# KiCad board main_MagicAlonso-rounded.kicad_pcb (continued)
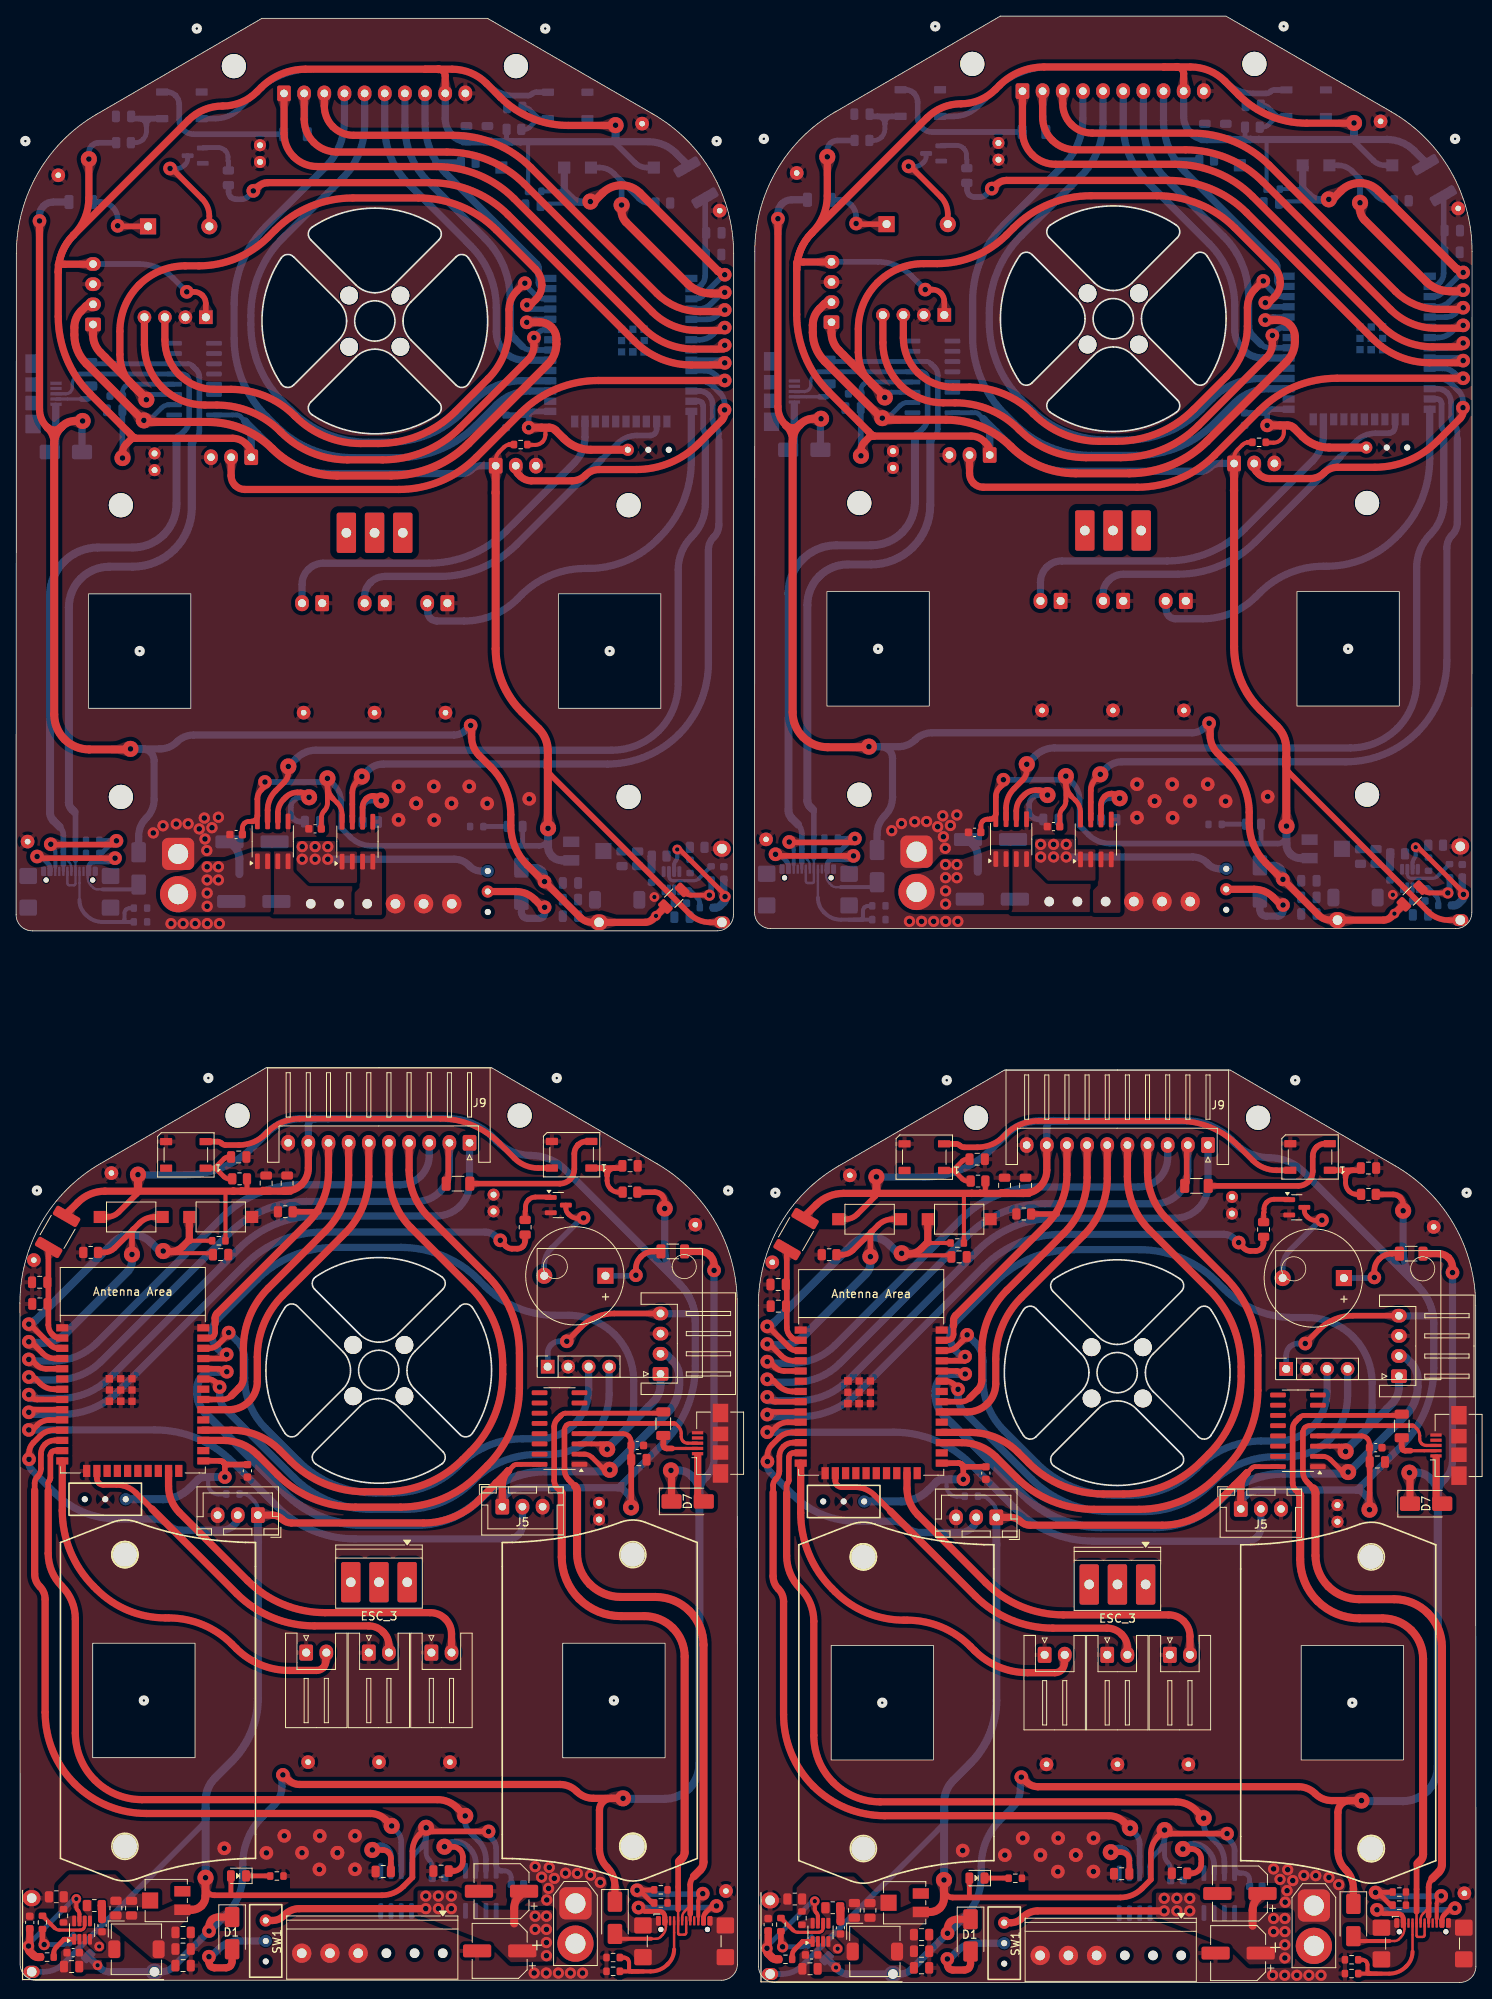
[diagram p0: board, top side]
## Routing (per net, layer and track width the routed paths; a pad name or vN(x,y) marks a point on that pad's centre or on a via; arc(x,y) is an arc through that point) (continued)
/StepDown_2315/VCC_SW: length 63.2
  Top w0.5: ST1.7 99.48,8.2 arc(99.43,8.45) 99.29,8.67 arc(99.14,8.88) 99.09,9.13 v3(99.09,10.1) ; ST1#2.7 7.86,8.48 arc(7.81,8.73) 7.66,8.94 arc(7.52,9.16) 7.47,9.41 v3(7.47,10.38)
  Top w0.6: v4(87.96,134.76) 87.96,134.87 arc(87.94,134.97) 87.88,135.05 82.43,140.51 arc(82.31,140.59) 82.18,140.61 v3(82.03,140.61) ; v3(173.65,140.89) 173.8,140.89 arc(173.94,140.86) 174.05,140.79 179.51,135.33 arc(179.56,135.25) 179.58,135.15 v4(179.58,135.04)
  Top w0.9: C23.1 1.69,4.78 arc(1.67,4.69) 1.61,4.6 v4(1.54,4.53) ; C23#2.1 93.31,4.51 arc(93.29,4.41) 93.24,4.32 v4(93.16,4.25)
  Top w1: v4(1.54,4.53) 1.53,4.52 arc(1.52,4.51) 1.52,4.49 1.52,4.26 arc(1.56,4.04) 1.69,3.84 2.16,3.38 arc(2.4,3.22) 2.7,3.16 R16#2.2 ; v4(93.16,4.25) 93.15,4.24 arc(93.15,4.23) 93.14,4.22 93.14,3.99 arc(93.19,3.76) 93.32,3.57 93.78,3.1 arc(94.03,2.94) 94.32,2.88 R16.2
  Bottom w0.5: ST1#4.7 81.64,138.71 arc(81.69,138.96) 81.84,139.18 arc(81.98,139.39) 82.03,139.65 v3(82.03,140.61) ; ST1#3.7 173.27,138.99 arc(173.32,139.24) 173.46,139.46 arc(173.6,139.67) 173.65,139.92 v3(173.65,140.89)
  Bottom w0.6: v4(93.16,4.25) 93.16,4.36 arc(93.18,4.46) 93.24,4.54 98.69,10 arc(98.81,10.07) 98.95,10.1 v3(99.09,10.1) ; v3(7.47,10.38) 7.32,10.38 arc(7.19,10.35) 7.07,10.27 1.62,4.82 arc(1.56,4.73) 1.54,4.64 v4(1.54,4.53)
  Bottom w0.9: C23#4.1 87.81,135.02 arc(87.83,134.92) 87.89,134.84 v4(87.96,134.76) ; C23#3.1 179.43,135.3 arc(179.45,135.2) 179.51,135.12 v4(179.58,135.04)
  Bottom w1: R16#3.2 178.43,133.67 arc(178.72,133.73) 178.97,133.89 179.43,134.36 arc(179.56,134.55) 179.6,134.78 179.6,135.01 arc(179.6,135.02) 179.59,135.03 v4(179.58,135.04) ; R16#4.2 86.8,133.39 arc(87.1,133.45) 87.34,133.62 87.81,134.08 arc(87.93,134.27) 87.98,134.5 87.98,134.73 arc(87.98,134.74) 87.97,134.75 v4(87.96,134.76)
/VDD_ESP: length 49.3
  Top w0.7: F1#2.2 95.64,90.93 arc(95.63,90.91) 95.62,90.88 95.62,81.32 arc(95.75,80.7) 96.1,80.18 96.3,79.97 arc(96.6,79.77) 96.96,79.7 U1.2 ; F1.2 4.02,91.21 arc(4,91.19) 4,91.16 4,81.6 arc(4.12,80.98) 4.47,80.45 4.68,80.25 arc(4.98,80.05) 5.34,79.98 U1#2.2
  Bottom w0.7: U1#3.2 84.16,210.21 arc(84.52,210.28) 84.82,210.49 85.03,210.69 arc(85.38,211.21) 85.5,211.83 85.5,221.4 arc(85.5,221.42) 85.48,221.44 F1#4.2 ; F1#3.2 177.1,221.72 arc(177.12,221.7) 177.12,221.67 177.12,212.11 arc(177,211.49) 176.65,210.97 176.45,210.76 arc(176.14,210.56) 175.79,210.49 U1#4.2
GND:
  vias: v1(25.83,16.66) v1(31.05,16.09) v1(33.27,18.2) v1(35.47,16.1) v1(37.63,14.04) v1(37.67,18.2) v1(39.85,16.1) v1(39.87,16.1) v1(42.05,18.2) v1(42.05,14.05) v1(47.45,148.44) v1(47.45,144.29) v1(49.62,146.34) v1(49.65,146.34) v1(51.83,148.44) v1(51.87,144.27) v1(54.03,146.34) v1(56.22,148.44) v1(58.45,146.32) v1(63.67,146.89) v1(117.45,16.38) v1(122.68,15.81) v1(124.9,17.93) v1(127.1,15.82) v1(129.3,17.93) v1(129.25,13.76) v1(131.47,15.82) v1(131.5,15.82) v1(133.67,17.93) v1(133.67,13.78) v1(139.07,148.72) v1(139.07,144.57) v1(141.25,146.62) v1(141.27,146.62) v1(143.45,148.72) v1(143.49,144.55) v1(145.65,146.62) v1(147.85,148.72) v1(150.07,146.6) v1(155.29,147.17) v3(10.31,4.48) v3(79.19,134.71) v3(101.93,4.2) v3(170.82,134.99) v4(17.02,142.66) v4(18.23,143.55) v4(19.22,131.41) v4(19.87,143.77) v4(20.72,131.41) v4(21.34,143.8) v4(22.22,131.41) v4(22.72,143.16) v4(23.35,144.51) v4(23.43,141.91) v4(23.66,140.48) v4(23.72,131.41) v4(24.3,143.31) v4(25.1,144.61) v4(25.22,131.41) v4(64.28,1.18) v4(64.4,14.38) v4(65.2,13.08) v4(65.78,1.18) v4(65.84,10.25) v4(66.07,11.68) v4(66.15,14.28) v4(66.78,12.93) v4(67.28,1.18) v4(68.16,13.57) v4(68.78,1.18) v4(69.63,13.54) v4(70.28,1.18) v4(71.27,13.32) v4(72.48,12.43) v4(108.64,142.94) v4(109.85,143.83) v4(110.84,131.69) v4(111.49,144.05) v4(112.34,131.69) v4(112.96,144.08) v4(113.84,131.69) v4(114.34,143.44) v4(114.97,144.79) v4(115.05,142.19) v4(115.28,140.76) v4(115.34,131.69) v4(115.92,143.59) v4(116.72,144.89) v4(116.84,131.69) v4(155.9,0.9) v4(156.02,14.1) v4(156.82,12.8) v4(157.4,0.9) v4(157.46,9.97) v4(157.69,11.4) v4(157.77,14) v4(158.4,12.65) v4(158.9,0.9) v4(159.78,13.29) v4(160.4,0.9) v4(161.25,13.26) v4(161.9,0.9) v4(162.89,13.04) v4(164.1,12.15)
/BOOT: length 98.2
  Top w0.5: R3#2.1 63.45,190.84 arc(63.48,190.82) 63.51,190.81 64.39,190.81 arc(64.88,190.91) 65.3,191.19 arc(65.58,191.6) 65.67,192.09 65.67,192.5 ; R3.1 155.07,191.12 arc(155.1,191.1) 155.13,191.09 156.02,191.09 arc(156.51,191.19) 156.92,191.47 arc(157.2,191.88) 157.3,192.37 157.3,192.78
  Top w0.7: v1(25.9,62.73) 25.9,64.12 arc(25.85,64.36) 25.72,64.56 ; 117.34,64.28 117.39,64.23 arc(117.65,64.06) 117.95,64 C8#2.1 ; 117.34,64.28 arc(117.14,64.41) 116.91,64.46 ; 117.34,64.28 arc(117.48,64.08) 117.52,63.85 v1(117.52,62.45) ; 117.34,64.28 arc(117.14,64.41) 116.91,64.46 ; C8.1 26.33,64.28 arc(26.02,64.34) 25.77,64.51 25.72,64.56 ; 116.91,64.46 U1.25 ; 25.72,64.56 arc(25.52,64.69) 25.29,64.74 ; 25.72,64.56 arc(25.52,64.69) 25.29,64.74 ; 25.29,64.74 U1#2.25
  Top w1: SW3#3.1 162.92,190.49 arc(161.12,190.85) 159.6,191.87 158.55,192.91 arc(158.19,193.16) 157.76,193.24 v1(155.22,193.24) ; v1(63.6,192.96) 66.14,192.96 arc(66.56,192.88) 66.93,192.64 67.97,191.59 arc(69.5,190.57) 71.29,190.21 SW3#4.1
  Bottom w0.5: R3#4.1 117.67,60.32 arc(117.65,60.31) 117.61,60.3 116.73,60.3 arc(116.24,60.4) 115.82,60.68 arc(115.55,61.09) 115.45,61.58 115.45,61.99 ; R3#3.1 26.05,60.6 arc(26.02,60.58) 25.99,60.58 25.11,60.58 arc(24.62,60.68) 24.2,60.95 arc(23.92,61.37) 23.82,61.86 23.82,62.27
  Bottom w0.7: C8#3.1 154.8,194.79 arc(155.1,194.85) 155.35,195.02 155.4,195.07 ; 64.21,194.97 U1#3.25 ; 64.21,194.97 arc(63.98,194.93) 63.78,194.79 ; 64.21,194.97 arc(63.98,194.93) 63.78,194.79 ; 155.84,195.25 U1#4.25 ; 155.84,195.25 arc(155.6,195.2) 155.4,195.07 ; 155.84,195.25 arc(155.6,195.2) 155.4,195.07 ; 63.78,194.79 63.73,194.74 arc(63.48,194.57) 63.17,194.51 C8#4.1 ; 63.78,194.79 arc(63.65,194.59) 63.6,194.36 v1(63.6,192.96) ; v1(155.22,193.24) 155.22,194.64 arc(155.27,194.87) 155.4,195.07
  Bottom w1: SW3#2.1 109.83,59.7 arc(111.63,60.06) 113.15,61.07 114.2,62.12 arc(114.56,62.37) 114.99,62.45 v1(117.52,62.45) ; v1(25.9,62.73) 23.36,62.73 arc(22.94,62.64) 22.57,62.4 21.52,61.35 arc(20,60.34) 18.21,59.98 SW3.1
/BUTTON: length 143.5
  Top w0.7: U1.4 96.46,77.16 arc(95.63,77.32) 94.93,77.79 93.79,78.93 arc(93.61,79.06) 93.39,79.1 93.15,79.1 ; 1.52,79.38 1.76,79.38 arc(1.98,79.33) 2.17,79.21 3.31,78.07 arc(4.01,77.6) 4.83,77.44 U1#2.4 ; 106.08,93.11 106.24,93.27 ; 106.08,93.11 106.24,93.27 ; 106.08,93.11 103.83,90.86 arc(103.24,90.46) 102.54,90.32 R9.2 ; 106.08,93.11 arc(106.02,93.02) 106,92.91 v2(106,90.07) ; 106.24,93.27 106.96,93.98 arc(107.78,94.53) 108.75,94.72 SW4.2 ; 14.46,93.38 12.21,91.14 arc(11.62,90.74) 10.92,90.6 R9#2.2 ; 14.46,93.38 14.62,93.55 ; 14.46,93.38 14.62,93.55 ; 14.46,93.38 arc(14.4,93.29) 14.37,93.19 v2(14.37,90.35) ; 14.62,93.55 15.33,94.26 arc(16.15,94.81) 17.12,95 SW4#2.2
  Top w1: 87.97,209.61 86.25,209.61 arc(84.66,209.93) 83.31,210.83 75.68,218.46 arc(75.27,219.07) 75.12,219.8 v2(75.12,220.59) ; 179.6,209.89 177.87,209.89 arc(176.28,210.21) 174.93,211.11 167.31,218.73 arc(166.89,219.35) 166.75,220.08 v2(166.75,220.87)
  Bottom w0.7: 75.04,223.62 77.29,221.37 arc(77.88,220.98) 78.58,220.84 R9#3.2 ; 75.04,223.62 74.88,223.78 ; 75.04,223.62 74.88,223.78 ; 75.04,223.62 arc(75.1,223.53) 75.12,223.42 v2(75.12,220.59) ; 166.67,223.9 166.5,224.06 ; 166.67,223.9 168.91,221.65 arc(169.51,221.25) 170.21,221.12 R9#4.2 ; 166.67,223.9 166.5,224.06 ; 166.67,223.9 arc(166.73,223.81) 166.75,223.7 v2(166.75,220.87) ; 166.5,224.06 165.79,224.77 arc(164.97,225.32) 164,225.52 SW4#3.2 ; 74.88,223.78 74.17,224.49 arc(73.35,225.04) 72.38,225.24 SW4#4.2 ; U1#4.4 176.29,207.95 arc(177.12,208.11) 177.81,208.58 178.96,209.72 arc(179.14,209.85) 179.36,209.89 179.6,209.89 ; U1#3.4 84.67,207.67 arc(85.49,207.84) 86.19,208.3 87.33,209.44 arc(87.52,209.57) 87.74,209.61 87.97,209.61
  Bottom w1: v2(14.37,90.35) 14.37,89.57 arc(14.23,88.84) 13.82,88.22 6.19,80.6 arc(4.84,79.69) 3.25,79.38 1.52,79.38 ; 93.15,79.1 94.87,79.1 arc(96.47,79.42) 97.82,80.32 105.44,87.94 arc(105.85,88.56) 106,89.29 v2(106,90.07)
  vias: v1(1.57,79.52) v1(87.92,209.75) v1(93.2,79.24) v1(179.55,210.03)
/BUZ: length 305.1
  Top w0.7: v1(151.69,91.83) 152.03,91.5 arc(152.04,91.48) 152.04,91.45 arc(152.05,91.43) 152.06,91.41 152.36,91.11 arc(152.72,90.87) 153.14,90.79 153.82,90.79 arc(154.18,90.86) 154.49,91.06 arc(154.69,91.37) 154.76,91.73 154.76,92.5 arc(154.77,92.52) 154.77,92.53 R8.2 ; v1(93.2,70.49) 93.36,70.65 arc(93.54,70.77) 93.75,70.81 U1.9 ; v1(60.07,92.11) 60.4,91.78 arc(60.42,91.76) 60.42,91.73 arc(60.42,91.71) 60.44,91.69 60.74,91.39 arc(61.09,91.15) 61.51,91.07 62.2,91.07 arc(62.56,91.14) 62.86,91.34 arc(63.07,91.65) 63.14,92.01 63.14,92.78 arc(63.14,92.79) 63.15,92.81 R8#2.2 ; v1(1.57,70.77) 1.74,70.93 arc(1.91,71.05) 2.13,71.09 U1#2.9
  Top w0.9: 87.92,200.74 83.8,200.74 arc(79.99,201.5) 76.76,203.65 61.03,219.38 arc(56.62,222.33) 51.42,223.36 31.26,223.36 arc(30.59,223.23) 30.03,222.85 29.55,222.37 arc(29.52,222.35) 29.48,222.34 v1(29.43,222.34) ; v1(121.05,222.62) 121.1,222.62 arc(121.14,222.63) 121.18,222.65 121.65,223.13 arc(122.22,223.51) 122.88,223.64 143.04,223.64 arc(148.24,222.6) 152.66,219.66 168.38,203.93 arc(171.61,201.77) 175.42,201.02 179.55,201.02
  Bottom w0.7: R8#4.2 26.35,223.04 arc(26.36,223.03) 26.36,223.02 26.36,222.24 arc(26.43,221.88) 26.63,221.58 arc(26.94,221.37) 27.3,221.3 27.99,221.3 arc(28.41,221.39) 28.76,221.62 29.06,221.92 arc(29.08,221.94) 29.08,221.97 arc(29.08,221.99) 29.1,222.01 v1(29.43,222.34) ; U1#3.9 87.37,201.32 arc(87.59,201.28) 87.76,201.16 v1(87.92,201) ; U1#4.9 179,201.6 arc(179.21,201.56) 179.39,201.44 v1(179.55,201.28) ; v1(121.05,222.62) 120.72,222.29 arc(120.71,222.27) 120.7,222.25 arc(120.7,222.22) 120.69,222.2 120.38,221.9 arc(120.03,221.66) 119.61,221.58 118.92,221.58 arc(118.56,221.65) 118.26,221.86 arc(118.06,222.16) 117.98,222.52 117.98,223.29 arc(117.98,223.31) 117.97,223.32 R8#3.2
  Bottom w0.9: 1.57,70.5 5.7,70.5 arc(9.51,71.26) 12.74,73.42 28.47,89.14 arc(32.88,92.09) 38.08,93.13 58.24,93.13 arc(58.9,93) 59.47,92.62 59.95,92.14 arc(59.98,92.12) 60.02,92.11 v1(60.07,92.11) ; 93.2,70.22 97.32,70.22 arc(101.13,70.98) 104.37,73.14 120.09,88.87 arc(124.5,91.81) 129.71,92.85 149.86,92.85 arc(150.53,92.72) 151.09,92.34 151.57,91.86 arc(151.61,91.84) 151.65,91.83 v1(151.69,91.83)
/CH340C/CC1: length 66.9
  Top w0.3: 173.26,3.83 J13#2.A5 ; 81.64,4.11 J13.A5
  Top w0.5: 168.02,1.1 170.38,1.1 arc(171.48,1.32) 172.42,1.94 172.53,2.05 arc(173.07,2.87) 173.26,3.83 ; 168.02,1.1 168.82,1.1 ; 168.02,1.1 167.73,1.1 ; 168.02,1.1 169.42,1.1 ; 168.02,1.1 arc(167.88,1.13) 167.77,1.2 ; 76.39,1.38 77.8,1.38 ; 76.39,1.38 76.11,1.38 ; 76.39,1.38 78.75,1.38 arc(79.86,1.6) 80.79,2.22 80.9,2.33 arc(81.45,3.15) 81.64,4.11 ; 76.39,1.38 77.2,1.38 ; 76.39,1.38 arc(76.26,1.4) 76.15,1.48 ; 167.73,1.1 166.64,1.1 ; 167.73,1.1 arc(167.79,1.14) 167.77,1.2 ; 76.11,1.38 75.01,1.38 ; 76.11,1.38 arc(76.16,1.41) 76.15,1.48 ; 75.01,3.09 75.43,3.09 arc(75.67,3.04) 75.87,2.91 arc(76,2.71) 76.05,2.47 76.05,1.72 arc(76.08,1.59) 76.15,1.48 ; 166.64,2.81 167.05,2.81 arc(167.29,2.77) 167.49,2.63 arc(167.63,2.43) 167.67,2.19 167.67,1.44 arc(167.7,1.31) 167.77,1.2
  Bottom w0.3: J13#3.A5 7.86,134.34 ; J13#4.A5 99.48,134.62
  Bottom w0.5: 104.73,131.89 102.37,131.89 arc(101.26,132.11) 100.33,132.74 100.22,132.84 arc(99.68,133.66) 99.48,134.62 ; 104.73,131.89 105.02,131.89 ; 104.73,131.89 103.32,131.89 ; 104.73,131.89 103.92,131.89 ; 104.73,131.89 arc(104.86,131.92) 104.97,131.99 ; 106.11,133.6 105.69,133.6 arc(105.46,133.56) 105.25,133.42 arc(105.12,133.22) 105.07,132.98 105.07,132.23 arc(105.05,132.1) 104.97,131.99 ; 13.11,131.61 11.7,131.61 ; 13.11,131.61 13.39,131.61 ; 13.11,131.61 10.75,131.61 arc(9.64,131.83) 8.71,132.46 8.6,132.57 arc(8.05,133.38) 7.86,134.34 ; 13.11,131.61 12.3,131.61 ; 13.11,131.61 arc(13.24,131.64) 13.35,131.71 ; 13.39,131.61 14.49,131.61 ; 13.39,131.61 arc(13.34,131.65) 13.35,131.71 ; 105.02,131.89 106.11,131.89 ; 105.02,131.89 arc(104.96,131.93) 104.97,131.99 ; 14.49,133.32 14.07,133.32 arc(13.83,133.28) 13.63,133.14 arc(13.5,132.94) 13.45,132.71 13.45,131.95 arc(13.42,131.82) 13.35,131.71
/CH340C/CC2: length 67.8
  Top w0.3: 84.64,8.22 J13.B5 ; 176.26,7.94 J13#2.B5
  Top w0.5: v1(85.2,11.03) 84.92,10.75 arc(84.71,10.44) 84.64,10.07 84.64,8.22 ; v1(176.82,10.75) 176.54,10.47 arc(176.34,10.16) 176.26,9.79 176.26,7.94
  Top w0.6: R12#2.2 79.16,11.49 arc(79.15,11.48) 79.13,11.48 77.84,11.48 arc(77.83,11.47) 77.81,11.47 arc(77.8,11.46) 77.78,11.45 v1(77.05,11.45) 77.2,11.45 arc(77.34,11.43) 77.46,11.35 78.84,9.97 arc(78.93,9.9) 79.05,9.88 R13#2.2 ; R13.2 170.67,9.6 arc(170.56,9.62) 170.46,9.69 169.08,11.07 arc(168.96,11.15) 168.82,11.18 v1(168.67,11.18) 169.41,11.18 arc(169.42,11.18) 169.44,11.19 arc(169.45,11.2) 169.47,11.2 170.76,11.2 arc(170.77,11.2) 170.79,11.21 R12.2
  Top w0.7: v1(4.3,141.26) 4.32,141.24 arc(4.35,141.22) 4.39,141.21 12.11,141.21 arc(12.24,141.24) 12.35,141.31 12.35,141.32 arc(12.42,141.42) 12.45,141.55 v1(12.45,141.69) ; v1(95.92,141.54) 95.95,141.52 arc(95.98,141.5) 96.01,141.49 103.73,141.49 arc(103.86,141.52) 103.97,141.59 103.98,141.59 arc(104.05,141.7) 104.07,141.83 v1(104.07,141.97)
  Bottom w0.3: 4.86,138.45 J13#3.B5 ; 96.48,138.73 J13#4.B5
  Bottom w0.5: v1(95.92,141.54) 96.2,141.26 arc(96.41,140.95) 96.48,140.58 96.48,138.73 ; v1(4.3,141.26) 4.58,140.98 arc(4.79,140.67) 4.86,140.31 4.86,138.45
  Bottom w0.6: R12#3.2 101.96,142 arc(101.98,141.99) 101.99,141.99 103.28,141.99 arc(103.3,141.99) 103.31,141.98 arc(103.33,141.97) 103.34,141.97 v1(104.07,141.97) 103.92,141.97 arc(103.79,141.94) 103.67,141.86 102.29,140.48 arc(102.19,140.41) 102.07,140.39 R13#4.2 ; R13#3.2 10.45,140.11 arc(10.57,140.14) 10.66,140.2 12.04,141.58 arc(12.16,141.66) 12.3,141.69 v1(12.45,141.69) 11.72,141.69 arc(11.7,141.69) 11.69,141.7 arc(11.67,141.71) 11.66,141.71 10.37,141.71 arc(10.35,141.72) 10.34,141.72 R12#4.2
  Bottom w0.7: v1(168.67,11.18) 168.67,11.04 arc(168.7,10.91) 168.77,10.8 168.77,10.8 arc(168.88,10.73) 169.02,10.7 176.74,10.7 arc(176.77,10.71) 176.8,10.72 v1(176.82,10.75) ; v1(85.2,11.03) 85.17,11 arc(85.15,10.98) 85.11,10.98 77.39,10.98 arc(77.26,11) 77.15,11.08 77.15,11.08 arc(77.08,11.19) 77.05,11.32 v1(77.05,11.45)
/CH340C/D+: length 373.6
  Top w0.3: J13#2.A6 174.26,7.81 arc(174.34,8.21) 174.57,8.54 174.97,8.95 arc(175.02,8.98) 175.08,9 175.15,9 ; J13.A6 82.64,8.09 arc(82.72,8.49) 82.94,8.82 83.35,9.23 arc(83.4,9.26) 83.46,9.27 83.52,9.27
  Top w0.4: J16#2.3 174.96,66.65 arc(174.65,66.71) 174.39,66.89 arc(174.21,67.15) 174.15,67.46 174.15,67.86 arc(174.05,68.34) 173.78,68.74 173.45,69.07 arc(173.41,69.1) 173.37,69.1 173.27,69.1 ; 81.64,69.38 81.74,69.38 arc(81.79,69.37) 81.83,69.35 82.16,69.02 arc(82.43,68.61) 82.52,68.14 82.52,67.74 arc(82.59,67.43) 82.76,67.17 arc(83.03,66.99) 83.34,66.93 J16.3 ; 83.64,8.51 83.64,7.7 ; 175.26,8.24 175.26,7.42
  Top w0.6: 173.27,69.1 U4#2.5 160.45,69.1 arc(160.15,69.04) 159.89,68.87 arc(159.72,68.61) 159.66,68.31 ; 81.64,69.38 U4.5 68.83,69.38 arc(68.52,69.32) 68.27,69.15 arc(68.1,68.89) 68.03,68.59
  Top w0.7: 159.66,68.31 159.66,63.39 arc(159.8,62.7) 160.19,62.11 160.97,61.32 ; 84.1,13.19 84.07,13.16 arc(83.75,12.68) 83.64,12.12 83.64,8.51 ; 69.35,61.6 68.57,62.39 arc(68.17,62.98) 68.03,63.67 68.03,68.59 ; 175.26,8.24 175.26,11.84 arc(175.38,12.4) 175.69,12.88 175.73,12.91
  Top w1: 84.1,13.19 84.89,13.98 arc(85.19,14.42) 85.29,14.94 85.29,41.91 arc(84.84,44.18) 83.55,46.11 arc(81.62,47.4) 79.35,47.85 75.03,47.85 arc(72.95,48.26) 71.19,49.44 arc(70.01,51.2) 69.6,53.28 69.6,61 arc(69.53,61.33) 69.35,61.6 ; 175.73,12.91 176.52,13.7 arc(176.81,14.14) 176.91,14.66 176.91,41.63 arc(176.46,43.9) 175.17,45.83 arc(173.25,47.12) 170.97,47.57 166.65,47.57 arc(164.57,47.98) 162.81,49.16 arc(161.64,50.92) 161.22,53 161.22,60.72 arc(161.16,61.05) 160.97,61.32
  Bottom w0.3: 5.97,139.51 6.04,139.51 arc(6.1,139.5) 6.15,139.46 6.56,139.06 arc(6.78,138.72) 6.86,138.32 J13#3.A6 ; 97.6,139.79 97.66,139.79 arc(97.72,139.77) 97.77,139.74 98.18,139.33 arc(98.4,139) 98.48,138.6 J13#4.A6
  Bottom w0.4: 99.48,199.9 99.38,199.9 arc(99.33,199.89) 99.29,199.86 98.96,199.53 arc(98.69,199.13) 98.6,198.65 98.6,198.25 arc(98.54,197.94) 98.36,197.68 arc(98.1,197.5) 97.79,197.44 J16#3.3 ; J16#4.3 6.16,197.16 arc(6.47,197.22) 6.74,197.4 arc(6.91,197.66) 6.97,197.97 6.97,198.37 arc(7.07,198.85) 7.34,199.25 7.67,199.58 arc(7.71,199.61) 7.76,199.62 7.85,199.62 ; 97.48,139.03 97.48,138.21 ; 5.86,138.75 5.86,137.93
  Bottom w0.6: 7.85,199.62 U4#4.5 20.67,199.62 arc(20.97,199.56) 21.23,199.38 arc(21.4,199.13) 21.47,198.82 ; 99.48,199.9 U4#3.5 112.29,199.9 arc(112.6,199.83) 112.86,199.66 arc(113.03,199.41) 113.09,199.1
  Bottom w0.7: 97.02,143.71 97.05,143.67 arc(97.37,143.19) 97.48,142.63 97.48,139.03 ; 113.09,199.1 113.09,194.18 arc(112.95,193.49) 112.56,192.9 111.77,192.12 ; 5.86,138.75 5.86,142.35 arc(5.75,142.92) 5.43,143.39 5.39,143.43 ; 21.47,198.82 21.47,193.91 arc(21.33,193.21) 20.93,192.62 20.15,191.84
  Bottom w1: 5.39,143.43 4.6,144.22 arc(4.31,144.65) 4.21,145.17 4.21,172.14 arc(4.66,174.42) 5.95,176.34 arc(7.88,177.63) 10.15,178.08 14.47,178.08 arc(16.55,178.5) 18.31,179.67 arc(19.49,181.43) 19.9,183.51 19.9,191.23 arc(19.96,191.56) 20.15,191.84 ; 97.02,143.71 96.23,144.5 arc(95.94,144.93) 95.83,145.45 95.83,172.42 arc(96.29,174.69) 97.57,176.62 arc(99.5,177.91) 101.77,178.36 106.1,178.36 arc(108.17,178.77) 109.93,179.95 arc(111.11,181.71) 111.52,183.79 111.52,191.51 arc(111.59,191.84) 111.77,192.12
/CH340C/D-: length 385.3
  Top w0.3: 82.14,9.06 J13.B7 82.14,6.11 arc(82.15,6.04) 82.19,5.99 arc(82.25,5.95) 82.31,5.94 82.9,5.94 arc(82.99,5.96) 83.07,6.01 arc(83.12,6.09) 83.14,6.18 J13.A7 ; J13#2.A7 174.76,5.9 arc(174.75,5.81) 174.69,5.73 arc(174.62,5.68) 174.52,5.66 173.93,5.66 arc(173.87,5.67) 173.81,5.71 arc(173.78,5.77) 173.76,5.83 J13#2.B7 173.76,8.78
  Top w0.4: 173.02,66 J16#2.2 ; 81.4,66.28 J16.2
  Top w0.6: REF**#9.2 171.84,70.46 arc(171.75,70.4) 171.65,70.38 U4#2.6 159.75,70.38 arc(159.54,70.33) 159.36,70.21 159.21,70.06 arc(159.2,70.05) 159.19,70.05 ; REF**#6.2 80.22,70.73 arc(80.13,70.67) 80.02,70.65 U4.6 68.13,70.65 arc(67.92,70.61) 67.74,70.49 67.58,70.34 arc(67.57,70.33) 67.56,70.33
  Top w0.7: 81.4,66.28 80.73,66.28 arc(80.56,66.31) 80.42,66.4 arc(80.33,66.54) 80.3,66.7 REF**#6.1 ; 173.02,66 172.35,66 arc(172.19,66.03) 172.05,66.12 arc(171.96,66.26) 171.92,66.43 REF**#9.1 ; 159.25,60.6 158.78,61.07 arc(158.49,61.5) 158.39,62.02 158.39,68.7 arc(158.49,69.22) 158.78,69.66 159.17,70.04 arc(159.18,70.05) 159.19,70.05 ; 173.76,8.78 173.76,14.5 arc(173.79,14.64) 173.87,14.75 ; 82.14,9.06 82.14,14.78 arc(82.17,14.92) 82.24,15.03 ; 67.62,60.88 67.16,61.35 arc(66.87,61.78) 66.76,62.29 66.76,68.98 arc(66.87,69.5) 67.16,69.93 67.55,70.32 arc(67.56,70.33) 67.56,70.33
  Top w1: 82.24,15.03 82.65,15.44 arc(82.87,15.77) 82.95,16.16 82.95,40.45 arc(82.57,42.37) 81.48,44 arc(79.85,45.09) 77.93,45.47 75.04,45.47 arc(72.23,46.03) 69.85,47.62 arc(68.26,50) 67.7,52.81 67.7,60.7 arc(67.68,60.79) 67.62,60.88 ; 173.87,14.75 174.27,15.16 arc(174.5,15.49) 174.57,15.88 174.57,40.17 arc(174.19,42.09) 173.1,43.72 arc(171.48,44.81) 169.55,45.19 166.66,45.19 arc(163.86,45.75) 161.47,47.34 arc(159.88,49.72) 159.32,52.53 159.32,60.42 arc(159.3,60.52) 159.25,60.6
  Bottom w0.3: J13#3.A7 6.36,136.41 arc(6.38,136.32) 6.43,136.24 arc(6.51,136.19) 6.6,136.17 7.19,136.17 arc(7.25,136.19) 7.31,136.22 arc(7.35,136.28) 7.36,136.34 J13#3.B7 7.36,139.29 ; 98.98,139.57 J13#4.B7 98.98,136.62 arc(98.97,136.56) 98.93,136.5 arc(98.88,136.46) 98.81,136.45 98.22,136.45 arc(98.13,136.47) 98.05,136.52 arc(98,136.6) 97.98,136.69 J13#4.A7
  Bottom w0.4: J16#3.2 99.72,196.79 ; 8.1,196.51 4.95,196.51
  Bottom w0.6: REF**#17.2 9.28,200.97 arc(9.37,200.91) 9.48,200.89 U4#4.6 21.37,200.89 arc(21.58,200.85) 21.76,200.72 21.92,200.57 arc(21.93,200.56) 21.94,200.56 ; REF**#15.2 100.91,201.25 arc(100.99,201.19) 101.1,201.17 U4#3.6 112.99,201.17 arc(113.21,201.12) 113.39,201 113.54,200.85 arc(113.55,200.84) 113.56,200.84
  Bottom w0.7: 7.36,139.29 7.36,145.01 arc(7.33,145.15) 7.26,145.27 ; 8.1,196.51 8.77,196.51 arc(8.94,196.54) 9.07,196.64 arc(9.17,196.78) 9.2,196.94 REF**#17.1 ; REF**#15.1 100.82,197.22 arc(100.79,197.05) 100.7,196.92 arc(100.56,196.82) 100.4,196.79 99.72,196.79 ; 113.5,191.39 113.97,191.86 arc(114.26,192.29) 114.36,192.81 114.36,199.49 arc(114.26,200.01) 113.96,200.45 113.58,200.83 arc(113.57,200.84) 113.56,200.84 ; 21.88,191.11 22.34,191.58 arc(22.63,192.01) 22.73,192.53 22.73,199.21 arc(22.63,199.73) 22.34,200.17 21.95,200.56 arc(21.94,200.56) 21.94,200.56 ; 98.98,139.57 98.98,145.29 arc(98.96,145.43) 98.88,145.55
  Bottom w1: 98.88,145.55 98.47,145.95 arc(98.25,146.28) 98.17,146.67 98.17,170.96 arc(98.56,172.88) 99.64,174.51 arc(101.27,175.6) 103.19,175.98 106.08,175.98 arc(108.89,176.54) 111.27,178.13 arc(112.86,180.51) 113.42,183.32 113.42,191.21 arc(113.44,191.31) 113.5,191.39 ; 7.26,145.27 6.85,145.67 arc(6.63,146) 6.55,146.4 6.55,170.68 arc(6.93,172.6) 8.02,174.23 arc(9.65,175.32) 11.57,175.7 14.46,175.7 arc(17.27,176.26) 19.65,177.85 arc(21.24,180.23) 21.8,183.04 21.8,190.93 arc(21.82,191.03) 21.88,191.11
/CH340C/VMusB: length 24.5
  Top w0.9: 84.57,60.2 84.98,59.8 arc(85.09,59.73) 85.21,59.7 85.35,59.7 ; 176.97,59.43 176.84,59.43 arc(176.71,59.45) 176.6,59.52 176.2,59.93 ; 176.2,59.95 176.2,65.1 ; 84.57,60.23 84.57,65.38
  Bottom w0.9: 96.55,190.74 96.55,195.89 ; 4.92,190.46 4.92,195.61 ; 4.15,189.94 4.29,189.94 arc(4.41,189.96) 4.52,190.03 4.92,190.44 ; 95.77,190.22 95.91,190.22 arc(96.04,190.24) 96.15,190.31 96.55,190.72
/CH340C/VMusC: length 99.1
  Top w0.3: 170.41,5.15 171.04,5.15 arc(171.33,5.21) 171.58,5.37 171.83,5.62 arc(172.14,6.09) 172.25,6.64 172.25,7.15 arc(172.23,7.24) 172.18,7.31 ; 78.78,5.43 79.42,5.43 arc(79.71,5.49) 79.95,5.65 80.2,5.9 arc(80.52,6.37) 80.63,6.92 80.63,7.43 arc(80.61,7.51) 80.56,7.59
  Top w0.5: v1(77.22,9.3) 77.46,9.07 arc(77.73,8.89) 78.04,8.83 ; 78.78,5.43 74.3,5.43 ; 170.41,5.15 165.92,5.15 ; v1(168.85,9.03) 169.09,8.79 arc(169.35,8.61) 169.66,8.55
  Top w0.6: v1(178.52,9.22) 178.27,9.22 arc(178.04,9.18) 177.85,9.05 177.17,8.37 arc(176.98,8.09) 176.91,7.75 J13#2.A9 ; 169.66,8.55 171.45,8.55 arc(171.7,8.5) 171.92,8.35 arc(172.06,8.14) 172.11,7.88 172.11,7.48 arc(172.13,7.39) 172.18,7.31 ; 78.04,8.83 79.82,8.83 arc(80.08,8.78) 80.29,8.63 arc(80.44,8.42) 80.49,8.16 80.49,7.75 arc(80.51,7.67) 80.56,7.59 ; v1(86.9,9.5) 86.65,9.5 arc(86.42,9.46) 86.22,9.33 85.55,8.65 arc(85.36,8.36) 85.29,8.03 J13.A9
  Top w0.7: v1(2.6,139.74) 2.7,139.64 arc(2.81,139.56) 2.94,139.54 v1(12.28,139.54) ; v1(103.9,139.82) 94.57,139.82 arc(94.43,139.84) 94.32,139.92 v1(94.22,140.02)
  Bottom w0.3: 10.72,135.66 10.08,135.66 arc(9.79,135.72) 9.55,135.89 9.3,136.13 arc(8.98,136.6) 8.87,137.16 8.87,137.66 arc(8.89,137.75) 8.94,137.82 ; 102.34,135.94 101.71,135.94 arc(101.42,136) 101.17,136.16 100.92,136.41 arc(100.61,136.88) 100.5,137.44 100.5,137.94 arc(100.52,138.03) 100.57,138.1
  Bottom w0.5: 102.34,135.94 106.82,135.94 ; v1(103.9,139.82) 103.66,139.58 arc(103.4,139.4) 103.09,139.34 ; 10.72,135.66 15.2,135.66 ; v1(12.28,139.54) 12.04,139.3 arc(11.77,139.12) 11.46,139.06
  Bottom w0.6: J13#4.A9 95.83,138.54 arc(95.77,138.88) 95.57,139.17 94.9,139.84 arc(94.7,139.97) 94.47,140.02 v1(94.22,140.02) ; 103.09,139.34 101.3,139.34 arc(101.04,139.29) 100.83,139.15 arc(100.68,138.93) 100.63,138.67 100.63,138.27 arc(100.62,138.18) 100.57,138.1 ; 11.46,139.06 9.68,139.06 arc(9.42,139.01) 9.21,138.87 arc(9.06,138.65) 9.01,138.4 9.01,137.99 arc(8.99,137.9) 8.94,137.82 ; J13#3.A9 4.21,138.26 arc(4.14,138.6) 3.95,138.89 3.28,139.56 arc(3.08,139.69) 2.85,139.74 v1(2.6,139.74)
  Bottom w0.7: v1(77.22,9.3) 86.56,9.3 arc(86.69,9.33) 86.8,9.4 v1(86.9,9.5) ; v1(168.85,9.03) 178.18,9.03 arc(178.31,9.05) 178.42,9.12 v1(178.52,9.22)
/CurrESC1&2: length 394.8
  Top w0.7: v2(33.77,150.91) 33.77,150.19 arc(33.64,149.52) 33.26,148.95 32.19,147.88 arc(31.46,146.79) 31.2,145.49 31.2,144.09 ; U2.7 122.83,145.77 arc(123.09,147.06) 123.82,148.16 124.89,149.23 arc(125.27,149.8) 125.4,150.47 v2(125.4,151.19) ; U1.13 96.48,65.73 arc(96.25,65.68) 96.05,65.55 arc(95.92,65.36) 95.87,65.12 95.87,62.32 arc(95.84,62.14) 95.74,61.99 arc(95.63,61.84) 95.6,61.66 95.6,60.76 arc(95.6,60.76) 95.6,60.75 arc(95.6,60.75) 95.6,60.75 ; U1#2.13 4.86,66.01 arc(4.62,65.96) 4.43,65.83 arc(4.3,65.63) 4.25,65.4 4.25,62.6 arc(4.21,62.42) 4.11,62.27 arc(4.01,62.11) 3.97,61.93 3.97,61.04 arc(3.98,61.03) 3.98,61.03 arc(3.98,61.03) 3.98,61.02
  Top w0.9: 95.6,60.75 95.6,52.98 arc(96.04,50.78) 97.29,48.91 arc(98.54,47.04) 98.97,44.84 98.97,30.67 arc(99.6,27.51) 101.39,24.84 arc(104.06,23.05) 107.22,22.42 143.9,22.42 arc(145.22,22.16) 146.34,21.41 v2(147.35,20.4) ; v2(55.72,20.68) 54.71,21.69 arc(53.6,22.44) 52.28,22.7 15.6,22.7 arc(12.44,23.33) 9.76,25.11 arc(7.98,27.79) 7.35,30.94 7.35,45.12 arc(6.91,47.32) 5.66,49.19 arc(4.42,51.05) 3.98,53.26 3.98,61.02
  Bottom w0.7: U1#4.13 176.27,196.52 arc(176.5,196.47) 176.7,196.34 arc(176.83,196.15) 176.87,195.91 176.87,193.11 arc(176.91,192.93) 177.01,192.78 arc(177.11,192.63) 177.15,192.45 177.15,191.55 arc(177.15,191.55) 177.15,191.54 arc(177.14,191.54) 177.14,191.54 ; v2(147.35,20.4) 147.35,19.68 arc(147.48,19.01) 147.86,18.44 148.93,17.37 arc(149.66,16.27) 149.92,14.98 U2#3.7 ; U2#4.7 58.29,15.26 arc(58.04,16.55) 57.3,17.65 56.24,18.72 arc(55.86,19.28) 55.72,19.95 v2(55.72,20.68) ; U1#3.13 84.64,196.24 arc(84.88,196.2) 85.07,196.06 arc(85.2,195.87) 85.25,195.64 85.25,192.83 arc(85.29,192.65) 85.39,192.5 arc(85.49,192.35) 85.53,192.17 85.53,191.27 arc(85.52,191.27) 85.52,191.26 arc(85.52,191.26) 85.52,191.26
  Bottom w0.9: 177.14,191.54 177.14,183.77 arc(176.71,181.57) 175.46,179.7 arc(174.21,177.83) 173.77,175.63 173.77,161.46 arc(173.15,158.3) 171.36,155.63 arc(168.68,153.84) 165.53,153.21 128.85,153.21 arc(127.53,152.95) 126.41,152.2 v2(125.4,151.19) ; v2(33.77,150.91) 34.79,151.92 arc(35.9,152.67) 37.22,152.93 73.9,152.93 arc(77.06,153.56) 79.73,155.35 arc(81.52,158.02) 82.15,161.18 82.15,175.35 arc(82.59,177.56) 83.84,179.42 arc(85.08,181.29) 85.52,183.49 85.52,191.26